# Altium PCB LeVentilateur.PcbDoc (part 1 of 2) (continued)
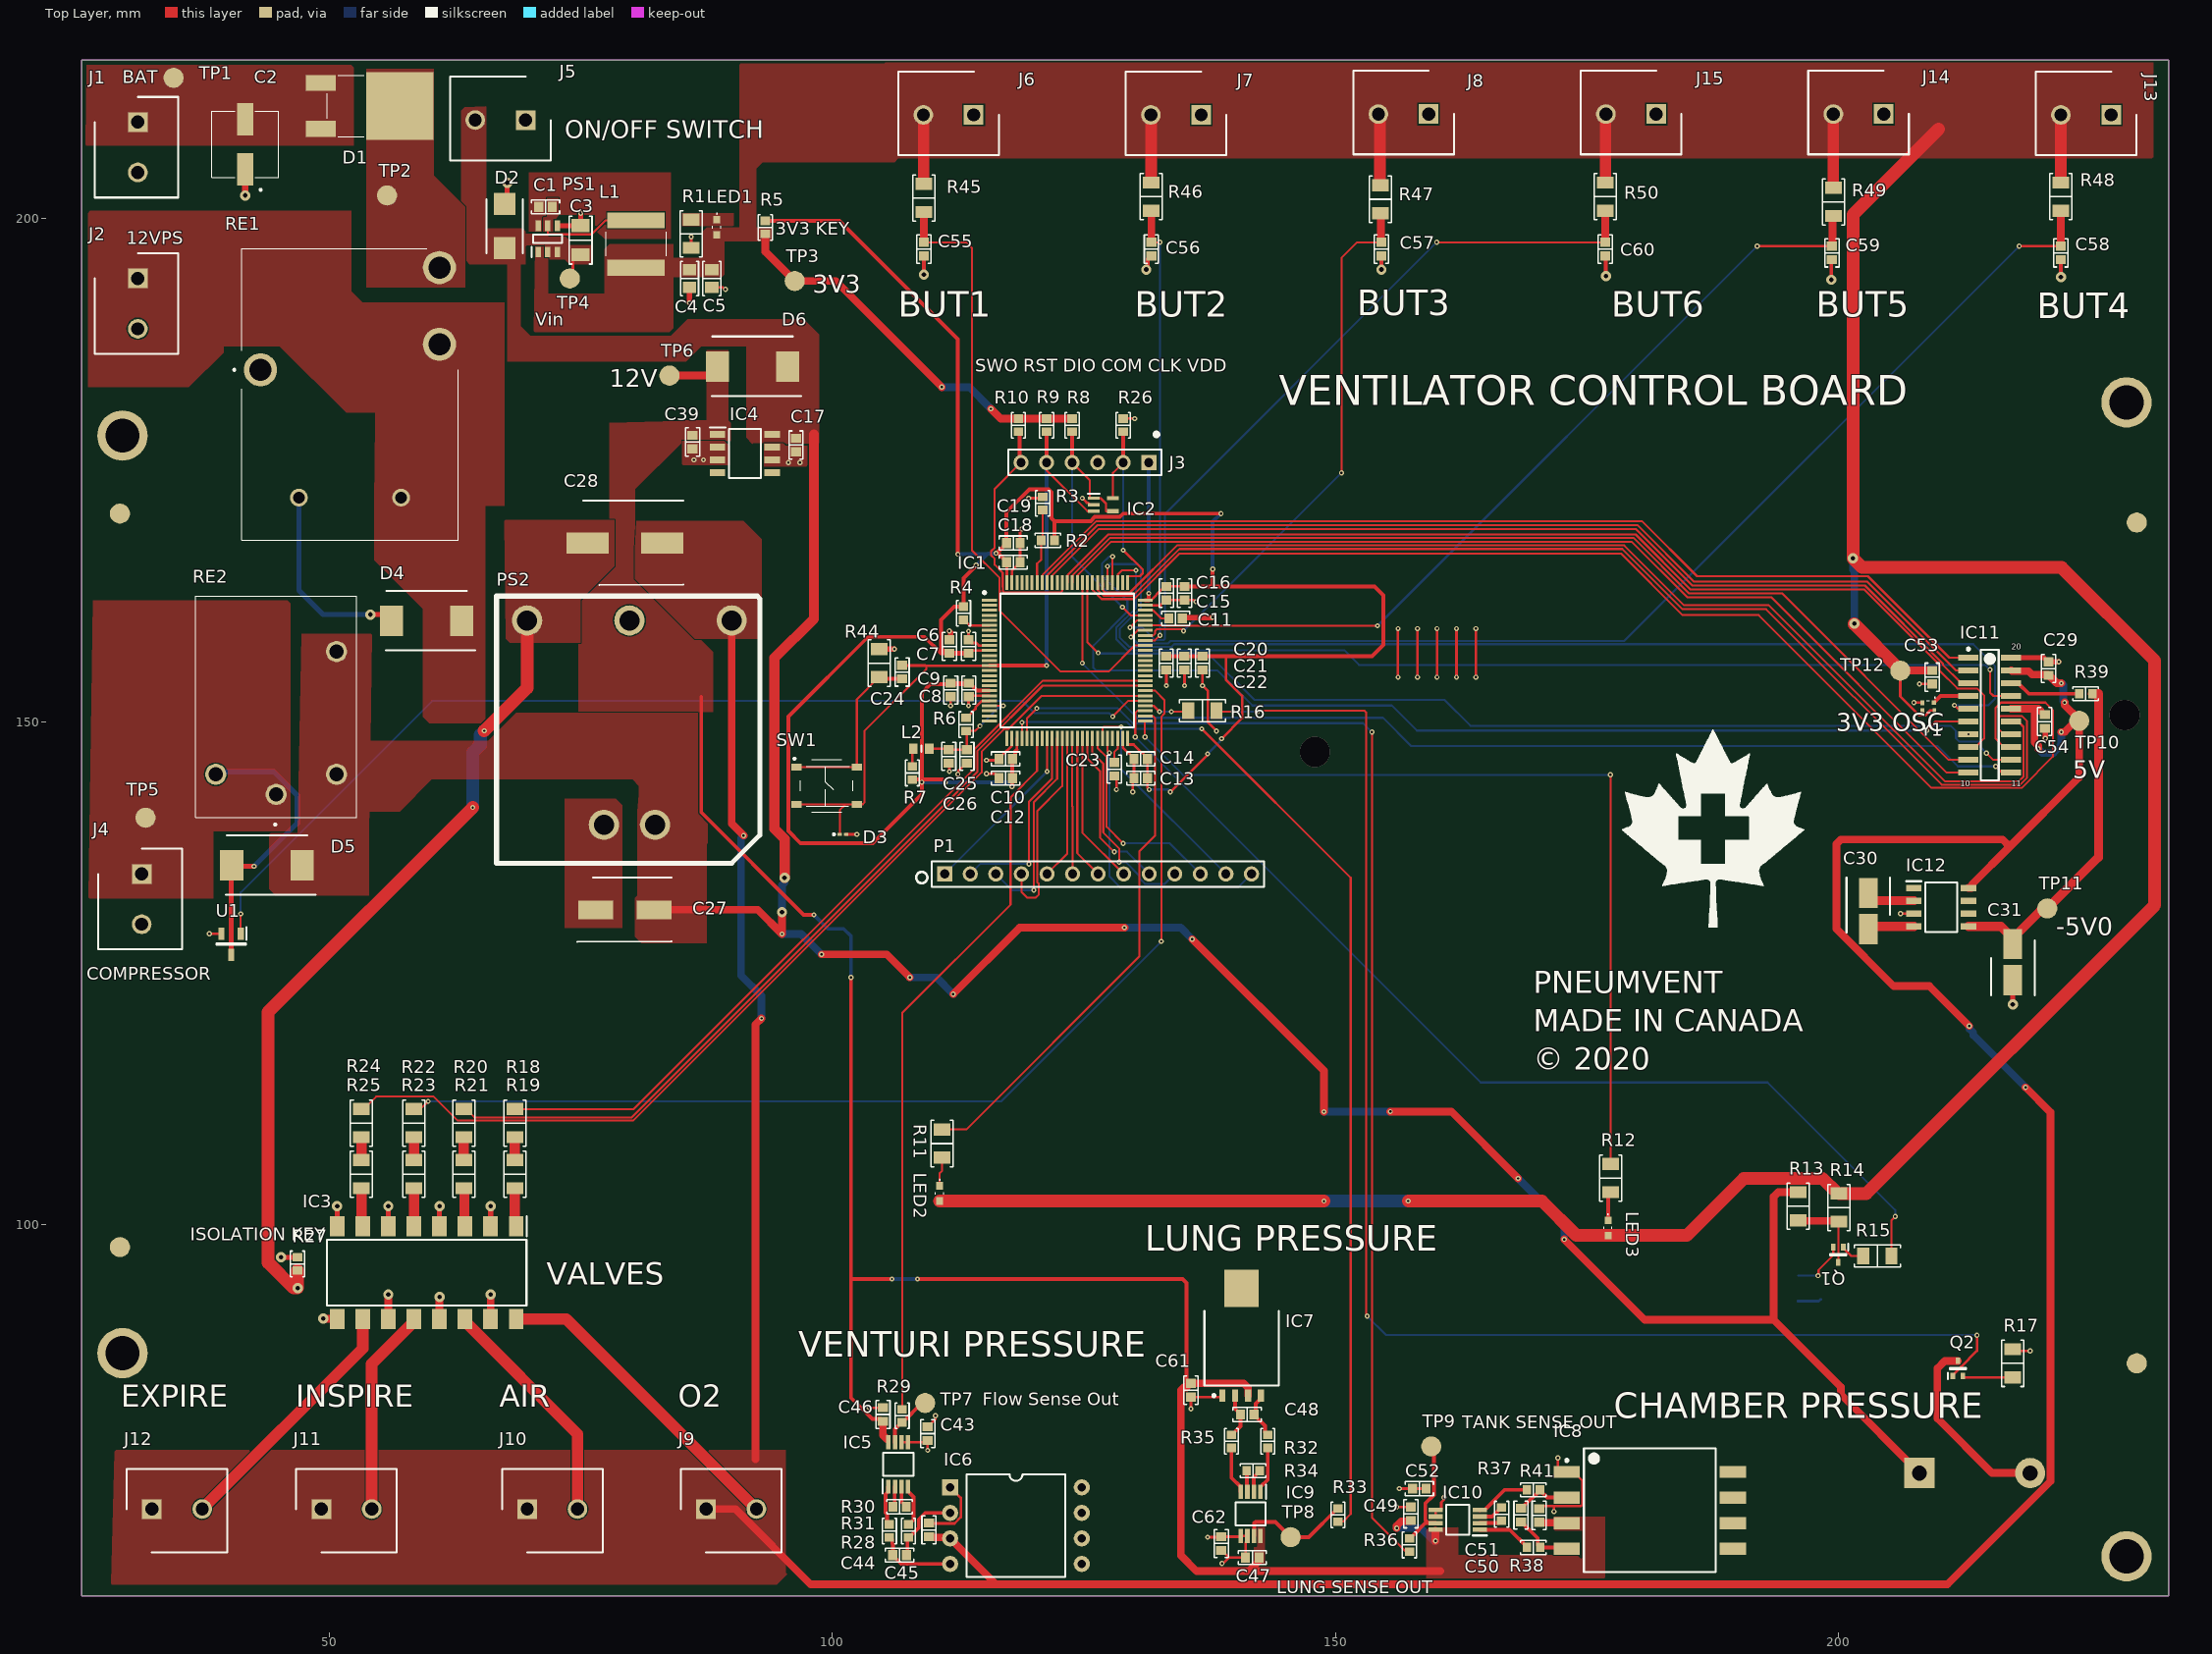
[diagram p0: Top Layer view]
## Components (designator, comment, footprint, x,y, rotation, side; value= is the part's Value field where it differs from the comment) (continued)
TP2 "TP" TP 55.753,202.311 r0 top locked
TP3 "TP" TP 96.266,193.802 r0 top locked
TP4 "TP" TP 73.914,194.056 r0 top locked
TP5 "TP" TP 31.75,140.462 r0 top locked
TP6 "TP" TP 83.82,184.404 r0 top locked
TP7 "TP" TP 109.22,82.296 r0 top locked
TP8 "TP" TP 145.542,68.961 r0 top locked
TP9 "TP" TP 159.512,77.978 r0 top locked
TP10 "TP" TP 223.901,150.088 r90 top locked
TP11 "TP" TP 220.726,131.445 r90 top locked
TP12 "TP" TP 206.121,155.083 r90 top locked
U1 "NUD3124LT1G" SOT96P237X111-3N 40.259,127.889 r270 top locked
Y1 "2KHZ" DSC6083HE1A032K800T 208.915,151.511 r180 top locked

## Footprints (in the part's own frame and the unit in brackets; to place one, negate y for a bottom-side part, rotate by r counter-clockwise, add the part's x,y. Pads: shape width x height; smd on the part's side, far side on the other; paste and mask are expansions set on the pad)
1255AY100MP3 [mm]
  rect 1.6x5.7 smd: 1(-2.35,0) 2(2.35,0)
  silkscreen extent -1.2,-3 1.2,3, body extent -3,-3 3,3, height 4.6
150060GS73220 [mm]
  rect 0.7x0.75 smd: 1(0,-0.75) 2(0,0.75)
  silkscreen extent -0.4,-1.4 0.4,0.1, body extent -0.4,-0.8 0.4,0.8, height 0.4
BEADC1608X95N [mm]
  rect 0.85x1 smd: 1(-0.8,0) 2(0.8,0)
  silkscreen extent 0,-0.3 0,0.3, body extent -0.8,-0.4 0.8,0.4, height 0.95
Buzzer [mm]
  rect 3x3 hole 1.5: 1(0,0)
  round 3 hole 1.5: 2(11,0)
  silkscreen extent -2.75,-8.25 13.75,8.25, body extent -3.04,-7.86 13.46,8.64, height 6.8
"CAP 0603/1608" [mm] "Chip Capacitor, 2-Leads, Body 1.60x0.80mm, IPC Medium Density"
  rect 0.9x1 smd: 1(-0.675,0) 2(0.675,0)
  silkscreen extent -1.4,-0.7 1.4,0.7, body extent -0.8,-0.41 0.8,0.41, height 0.82
"CAP 1206/3216" [mm] "Chip Capacitor, 2-Leads, Body 3.25x1.60mm, IPC Medium Density"
  rect 1.3x1.8 smd: 1(-1.45,0) 2(1.45,0)
  silkscreen extent -2.38,-1.12 2.38,1.13, body extent -1.6,-0.81 1.6,0.81, height 1.62
CAPAE430X580N [mm]
  rect 3x1.85 smd: 1(-1.8,0) 2(1.8,0)
  round 1 on Top Overlay: ""(3.175,2.286)
  silkscreen extent -3.3,-2.17 2.15,2.16, body extent -2.6,-2.25 2.6,2.25, height 5.8
CAPAE630X580N [mm]
  rect 3.45x1.85 smd: 1(-2.9,0) 2(2.9,0)
  round 1 on Top Overlay: ""(4.572,-2.921)
  silkscreen extent -4.62,-3.2 4.7,3.18, body extent -3.9,-3.25 3.9,3.25, height 5.8
CAPAE830X1050N [mm]
  rect 4.2x2.1 smd: 1(-3.7,0) 2(3.7,0)
  round 1 on Top Overlay: ""(5.461,3.937)
  silkscreen extent -5.8,-4.23 4.15,4.19, body extent -5,-4.25 5,4.25, height 10.5
DIOM8060X295N [mm]
  rect 2.3x3.05 smd: 1(-3.5,0) 2(3.5,0)
  silkscreen extent -4.83,-3 4.06,2.92, body extent -4,-3 4,3, height 2.95
DIONM5436X265N [mm]
  rect 2.2x2.15 smd: 1(-2.2,0) 2(2.2,0)
  silkscreen extent -2.67,-1.81 2.68,1.81, body extent -2.68,-1.81 2.68,1.81, height 2.65
DIP8_Pressure_Sense [mm]
  rect 1.6x1.6 hole 0.813: 1(0,0)
  round 1.6 hole 0.813: 2(0,-2.54) 3(0,-5.08) 4(0,-7.62) 5(13.08,-7.62) 6(13.08,-5.08) 7(13.08,-2.54) 8(13.08,0)
  silkscreen extent 1.63,-8.89 11.45,1.27
DPAK127P1219X1008-5N [mm] "TO, 5-Pads, Body 7.84x7.08mm (max), IPC Medium Density"
  rect 1.2x0.6 smd: 1(-5.95,1.905) 2(-5.95,0.635) 3(-5.95,-0.635) 4(-5.95,-1.905)
  rect 3.7x3.4 smd: ""(4.7,0)
  silkscreen extent -6.07,-3.7 2.45,3.7, body extent -6.13,-3.65 5.87,3.65, height 9.65
DSC6083HE1A032K800T [mm]
  rect 0.43x0.432 smd: 1(-0.56,-0.375)
  rect 0.35x0.457 smd: 2(0.6,-0.375) 3(0.6,0.375)
  rect 0.35x0.432 smd: 4(-0.6,0.375)
  silkscreen extent -0.7,-0.95 0.2,0.6, body extent -0.8,-0.6 0.8,0.6, height 0.99
EEE1HA470XP [mm]
  rect 1.6x3.2 smd: 1(0,2.5) 2(0,-2.5)
  silkscreen extent -3.3,-4.62 3.3,3.3, body extent -3.3,-3.94 3.3,3.94, height 8.1
ESDALC6V11U2 [mm]
  rect 0.425x0.3 smd: 1(0.031,0) 2(0.656,0)
  silkscreen extent -0.66,-0.1 -0.46,0.1
FERD20H100SBTR [mm]
  rect 3x1.6 smd: 1(3.925,-2.286) 3(3.925,2.286)
  rect 6.7x6.7 smd: 2(-3.925,0)
  silkscreen extent -0.4,-3.05 3.27,3.05
HDR1X6 [mm] "Connector; Header; 6 Position"
  rect 1.5x1.5 hole 0.9: 1(0,0)
  round 1.5 hole 0.9: 2(2.54,0) 3(5.08,0) 4(7.62,0) 5(10.16,0) 6(12.7,0)
  silkscreen extent -1.27,-1.27 13.97,1.27
HDR1X13 [mm] "Connector; Header; 13 Position"
  rect 1.5x1.5 hole 0.9: 1(0,0)
  round 1.5 hole 0.9: 2(2.54,0) 3(5.08,0) 4(7.62,0) 5(10.16,0) 6(12.7,0) 7(15.24,0) 8(17.78,0) 9(20.32,0) 10(22.86,0) 11(25.4,0) 12(27.94,0) 13(30.48,0)
  silkscreen extent -1.27,-1.27 31.75,1.27
ISO_PS [mm]
  round 3 hole 2: 1(2.54,10.16) 2(-2.54,10.16) 3(-10.16,-10.16) 4(0,-10.16) 5(10.16,-10.16)
  silkscreen extent -12.95,-12.57 13.21,13.97
JSM1A12V4 [mm]
  round 2.1 hole 1.4: 1(0,0) 2(2,-6) 3(14.2,-6) 5(2,6)
  silkscreen extent -3.1,-8 19.7,8, body extent -2.3,-8 19.7,8, height 16.4
LCD_CONN [mm]
  rect 2x0.6 smd: 1(-2.125,5.715) 2(-2.125,4.445) 3(-2.125,3.175) 4(-2.125,1.905) 5(-2.125,0.635) 6(-2.125,-0.635) 7(-2.125,-1.905) 8(-2.125,-3.175) 9(-2.125,-4.445) 10(-2.125,-5.715) 11(2.125,-5.715) 12(2.125,-4.445) 13(2.125,-3.175) 14(2.125,-1.905) 15(2.125,-0.635) 16(2.125,0.635) 17(2.125,1.905) 18(2.125,3.175) 19(2.125,4.445) 20(2.125,5.715)
  silkscreen extent -2.25,-6.5 0.89,6.69, body extent -1.55,-6.5 1.55,6.5, height 4.55
PTS526SM15SMTR2LFS [mm]
  rect 1x0.7 smd: 1(-3,1.85) 2(3,1.85) 3(-3,-1.85) 4(3,-1.85)
  silkscreen extent -3.3,-2.6 2.6,2.8, body extent -3.43,-2.6 3.43,2.6, height 1.6
QBHP686IWKCW [mm]
  rect 1.5x2.1 smd: 1(-1.475,0)
  rect 2.35x2.1 smd: 2(1.05,0)
  silkscreen extent -1.55,-1.4 2.89,1.4, body extent -1.55,-1.4 1.55,1.4, height 1.1
QFP50P1600X1600X160-100N [mm]
  rect 1.475x0.3 smd: 1(-7.738,6) 2(-7.738,5.5) 3(-7.738,5) 4(-7.738,4.5) 5(-7.738,4) 6(-7.738,3.5) 7(-7.738,3) 8(-7.738,2.5) 9(-7.738,2) 10(-7.738,1.5) 11(-7.738,1) 12(-7.738,0.5) 13(-7.738,0) 14(-7.738,-0.5) 15(-7.738,-1) 16(-7.738,-1.5) 17(-7.738,-2) 18(-7.738,-2.5) 19(-7.738,-3) 20(-7.738,-3.5) 21(-7.738,-4) 22(-7.738,-4.5) 23(-7.738,-5) 24(-7.738,-5.5) 25(-7.738,-6) 51(7.738,-6) 52(7.738,-5.5) 53(7.738,-5) 54(7.738,-4.5) 55(7.738,-4) 56(7.738,-3.5) 57(7.738,-3) 58(7.738,-2.5) 59(7.738,-2) 60(7.738,-1.5) 61(7.738,-1) 62(7.738,-0.5) 63(7.738,0) 64(7.738,0.5) 65(7.738,1) 66(7.738,1.5) 67(7.738,2) 68(7.738,2.5) 69(7.738,3) 70(7.738,3.5) 71(7.738,4) 72(7.738,4.5) 73(7.738,5) 74(7.738,5.5) 75(7.738,6)
  rect 0.3x1.475 smd: 26(-6,-7.738) 27(-5.5,-7.738) 28(-5,-7.738) 29(-4.5,-7.738) 30(-4,-7.738) 31(-3.5,-7.738) 32(-3,-7.738) 33(-2.5,-7.738) 34(-2,-7.738) 35(-1.5,-7.738) 36(-1,-7.738) 37(-0.5,-7.738) 38(0,-7.738) 39(0.5,-7.738) 40(1,-7.738) 41(1.5,-7.738) 42(2,-7.738) 43(2.5,-7.738) 44(3,-7.738) 45(3.5,-7.738) 46(4,-7.738) 47(4.5,-7.738) 48(5,-7.738) 49(5.5,-7.738) 50(6,-7.738) 76(6,7.738) 77(5.5,7.738) 78(5,7.738) 79(4.5,7.738) 80(4,7.738) 81(3.5,7.738) 82(3,7.738) 83(2.5,7.738) 84(2,7.738) 85(1.5,7.738) 86(1,7.738) 87(0.5,7.738) 88(0,7.738) 89(-0.5,7.738) 90(-1,7.738) 91(-1.5,7.738) 92(-2,7.738) 93(-2.5,7.738) 94(-3,7.738) 95(-3.5,7.738) 96(-4,7.738) 97(-4.5,7.738) 98(-5,7.738) 99(-5.5,7.738) 100(-6,7.738)
  silkscreen extent -8.35,-6.65 6.65,6.87, body extent -8,-8 8,8, height 1.6
"RES 0603/1608" [mm] "Chip Resistor, 2-Leads, Body 1.60x0.80mm, IPC Medium Density"
  rect 0.85x0.95 smd: 1(-0.65,0) 2(0.65,0)
  silkscreen extent -1.27,-0.7 1.27,0.7, body extent -0.8,-0.4 0.8,0.4, height 0.45
"RES 0805/2012" [mm] "Chip Resistor, 2-Leads, Body 2.00x1.25mm, IPC Medium Density"
  rect 1.15x1.35 smd: 1(-0.875,0) 2(0.875,0)
  silkscreen extent -1.7,-0.9 1.7,0.9, body extent -0.95,-0.62 1.05,0.63, height 0.6
"RES 1206/3216" [mm] "Chip Resistor, 2-Leads, Body 3.13x1.55mm, IPC Medium Density"
  rect 1.2x1.65 smd: 1(-1.4,0) 2(1.4,0)
  silkscreen extent -2.3,-1.1 2.3,1.1, body extent -1.57,-0.8 1.62,0.8, height 0.6
SHDR2W110P0X500_1X2_1000X830X1140P [mm]
  rect 1.95x1.95 hole 1.3: 1(0,0)
  round 1.95 hole 1.3: 2(5,0)
  round 1 on Top Overlay: ""(-2.54,5.08)
  silkscreen extent -2.5,-4.3 7.5,4, body extent -2.67,-5.13 7.9,3.87, height 11.9
SOIC127P600X175-8N [mm]
  rect 1.525x0.65 smd: 1(-2.712,1.905) 2(-2.712,0.635) 3(-2.712,-0.635) 4(-2.712,-1.905) 5(2.712,-1.905) 6(2.712,-0.635) 7(2.712,0.635) 8(2.712,1.905)
  silkscreen extent -3.47,-2.45 1.6,2.58, body extent -3,-2.45 3,2.45, height 1.75
SOP65P490X110-8N [mm]
  rect 1.4x0.45 smd: 1(-2.2,0.975) 2(-2.2,0.325) 3(-2.2,-0.325) 4(-2.2,-0.975) 5(2.2,-0.975) 6(2.2,-0.325) 7(2.2,0.325) 8(2.2,0.975)
  silkscreen extent -2.9,-1.5 1.15,1.55, body extent -2.45,-1.5 2.45,1.5, height 1.1
SOP127P600-8N [mm]
  rect 2.6x1.2 smd: 1(-8.25,3.81) 2(-8.25,1.27) 3(-8.25,-1.27) 4(-8.25,-3.81) 5(8.25,-3.81) 6(8.25,-1.27) 7(8.25,1.27) 8(8.25,3.81)
  silkscreen extent -8.37,-6.15 6.55,6.15, body extent -8.97,-5.46 9.23,5.84, height 13
SOP254P1031X450-16N [mm]
  rect 2x1.45 smd: 1(-4.6,8.89) 2(-4.6,6.35) 3(-4.6,3.81) 4(-4.6,1.27) 5(-4.6,-1.27) 6(-4.6,-3.81) 7(-4.6,-6.35) 8(-4.6,-8.89) 9(4.6,-8.89) 10(4.6,-6.35) 11(4.6,-3.81) 12(4.6,-1.27) 13(4.6,1.27) 14(4.6,3.81) 15(4.6,6.35) 16(4.6,8.89)
  silkscreen extent -5.6,-9.92 3.25,9.96, body extent -5.16,-9.92 5.16,9.92, height 4.5
SOT65P210X110-5N [mm]
  rect 1.2x0.33 smd: 1(-0.95,0.65) 2(-0.95,0) 3(-0.95,-0.65)
  rect 1.2x0.4 smd: 4(0.95,-0.65) 5(0.95,0.65)
  silkscreen extent -1.55,1.1 -0.35,1.1, body extent -1.05,-1 1.05,1, height 1.1
SOT95P280X100-6N [mm]
  rect 1.05x0.55 smd: 1(-1.3,0.95) 2(-1.3,0) 3(-1.3,-0.95) 4(1.3,-0.95) 5(1.3,0) 6(1.3,0.95)
  silkscreen extent -1.82,-1.45 0.42,1.58, body extent -1.4,-1.45 1.4,1.45, height 1
SOT96P237X111-3N [mm]
  rect 1.25x0.6 smd: 1(-1.05,0.955) 2(-1.05,-0.955) 3(1.05,0)
  silkscreen extent -1.67,-1.46 0.07,1.51, body extent -1.18,-1.46 1.18,1.46, height 1.11
SOTFL50P160X70-3N [mm]
  rect 0.46x0.645 smd: 1(0.5,-0.498) 2(-0.5,-0.498) 3(0,1.006)
  silkscreen extent -0.98,-0.82 0.8,0.33, body extent -0.8,-0.55 0.8,1.05, height 0.7
T9GV5L145 [mm]
  round 3.29 hole 2.19: 1(0,-0.06) 4(17.78,2.48) 5(17.78,10.1)
  round 1.77 hole 1.17: 2(3.81,-12.76) 3(13.97,-12.76)
  silkscreen extent -2.7,-17 19.64,12, body extent -1.81,-17.14 19.59,11.75, height 15
TP [mm]
  round 2 smd paste-1.016: 1(0,0)

## Part data
B1: "BUZZER, 16.5 MM, 6.7 MM DEEP, P,", Manufacturer 1=CUI, Manufacturer Part Number 1=CPT-1667-85T, Supplier Part Number 1=102-CPT-1667-85T-ND, Pricing 1="1 = 0.82000, 10 = 0.68400, 25 = 0.63360, 50 = 0.59680, 100 = 0.56130, 500 = 0.48384, 1000 = 0.45266, 5000 = 0.42900 (USD)", RoHS 1=No, Stock 1=494, Supplier 1=Digi-Key
C1 C6 C7 C8 C9 C10 C12 C13 C14 C15 C16 C18 C19 C20 C21 C24 C25 C29 C39 C43 C44 C45 C46 C47 C48 C49 C50 C51 C52 C53 C54 C55 C56 C57 C58 C59 C60 C61 C62: library part C1608X7R1E104K080AA, "CAP CER 0.1UF 50V X7R 0603", Capacitance=100nF, Case/Package=0603, Case Code (Metric)=1608, Dielectric=X7R, Dielectric Material=Ceramic, Manufacturer 1=KEMET, Manufacturer Part Number 1=C0603C104M5RACTU, Max Operating Temperature=125°C, Min Operating Temperature=-55°C, Package Quantity=1, Supplier Part Number 1=399-7845-1-ND, Tolerance=20%, Voltage Rating=50V, Case Code (Imperial)=0603, ComponentLink1Description=Datasheet, ComponentLink1URL=https://product.tdk.com/info/en/catalog/datasheets/mlcc_commercial_general_en.pdf, ComponentLink2Description="Digi-Key listing", ComponentLink2URL=http://digikey.com/product-detail/en/C1608X7R1E104K080AA/445-1316-1-ND/567697, ComponentLink3Description=https://www.verical.com/server-webapp/html/getDatasheet?partID=626892&src-supplier=Verical, ComponentLink3URL=https://www.verical.com/server-webapp/html/getDatasheet?partID=626892&src-supplier=Verical, ComponentLink4Description=http://www.farnell.com/datasheets/2746056.pdf?src-supplier=Farnell, ComponentLink4URL=http://www.farnell.com/datasheets/2746056.pdf?src-supplier=Farnell, ComponentLink5Description=http://components.arrow.com/part/dataview/0323_00313986?src-supplier=Arrow+Europe, ComponentLink5URL=http://components.arrow.com/part/dataview/0323_00313986?src-supplier=Arrow+Europe, ComponentLink6Description=http://www.mouser.com/ds/2/212/KEM_C1002_X7R_SMD-1102033.pdf?src-supplier=Mouser, ComponentLink6URL=http://www.mouser.com/ds/2/212/KEM_C1002_X7R_SMD-1102033.pdf?src-supplier=Mouser, ComponentLink7Description=http://www.alliedelec.com/m/d/6f3b5eb83d09db50ed28bdc730567b33.pdf?src-supplier=Allied+Electronics, ComponentLink7URL=http://www.alliedelec.com/m/d/6f3b5eb83d09db50ed28bdc730567b33.pdf?src-supplier=Allied+Electronics, ComponentLink8Description=http://components.arrow.com/part/dataview/40911037S8853915N7429?src-supplier=Arrow, ComponentLink8URL=http://components.arrow.com/part/dataview/40911037S8853915N7429?src-supplier=Arrow, ComponentLink9Description=http://www.farnell.com/datasheets/2746056.pdf?src-supplier=Newark, ComponentLink9URL=http://www.farnell.com/datasheets/2746056.pdf?src-supplier=Newark, ComponentLink10Description=http://www.farnell.com/datasheets/1828800.pdf?src-supplier=Newark, ComponentLink10URL=http://www.farnell.com/datasheets/1828800.pdf?src-supplier=Newark, ComponentLink11Description=http://capacitoredge.kemet.com/capedge2/DataSheet?pn=C0603C104M5RAC7867&src-supplier=Avnet+Asia, ComponentLink11URL=http://capacitoredge.kemet.com/capedge2/DataSheet?pn=C0603C104M5RAC7867&src-supplier=Avnet+Asia, ComponentLink12Description=https://api.kemet.com/component-edge/download/datasheet/C0603C104M5RACTU.pdf?src-supplier=Digi-Key, ComponentLink12URL=https://api.kemet.com/component-edge/download/datasheet/C0603C104M5RACTU.pdf?src-supplier=Digi-Key, ComponentLink13Description=https://www.verical.com/server-webapp/html/getDatasheet?partID=110138&src-supplier=Verical, ComponentLink13URL=https://www.verical.com/server-webapp/html/getDatasheet?partID=110138&src-supplier=Verical, ComponentLink14Description=http://capacitoredge.kemet.com/capedge2/DataSheet?pn=C0603C104M5RAC7867&src-supplier=Avnet, ComponentLink14URL=http://capacitoredge.kemet.com/capedge2/DataSheet?pn=C0603C104M5RAC7867&src-supplier=Avnet, ComponentLink15Description=http://www.farnell.com/datasheets/2315113.pdf?src-supplier=Newark, ComponentLink15URL=http://www.farnell.com/datasheets/2315113.pdf?src-supplier=Newark, ComponentLink16Description=http://www.farnell.com/datasheets/2746056.pdf?src-supplier=Element14, ComponentLink16URL=http://www.farnell.com/datasheets/2746056.pdf?src-supplier=Element14, Contact Plating=Tin,Matte, Depth=0.8mm, Description 1="Cap Ceramic 0.1uF 50V X7R 20% SMD 0603 125C T/R", Dissipation Factor=2.5%, Height=0.8mm, Lead Pitch=0.7mm, Length=1.6mm, Mount="Surface Mount,PCB", Packaging="Tape and Reel", Pricing 1="1 = 0.10000, 10 = 0.03900, 100 = 0.01740, 500 = 0.01240, 1000 = 0.00974 (USD)", Radiation Hardening=No, REACH SVHC="No SVHC", RoHS 1=Yes, Stock 1=3475152, Supplier 1=Digi-Key, Termination=SMD/SMT, Thickness=0.034inch, Voltage Rating (DC)=50V, Width=0.031inch
C2: library part EEE-1HA470XP, "CAP ALUM 47UF 20% 50V SMD", Case/Package=Radial, Leakage Current=3uA, Manufacturer 1=Panasonic, Manufacturer Part Number 1=EEE-1HA470XAP, Max Operating Temperature=85°C, Min Operating Temperature=-40°C, Package Quantity=1, Ripple Current=105mA, Supplier Part Number 1=PCE4622CT-ND, Tolerance=20%, Voltage=50V, Capacitance=47uF, ComponentLink1Description=https://datasheet.ciiva.com/2985/aba0000ce115-2985177.pdf?src-supplier=Avnet, ComponentLink1URL=https://datasheet.ciiva.com/2985/aba0000ce115-2985177.pdf?src-supplier=Avnet, ComponentLink2Description=https://datasheet.ciiva.com/17535/aba0000ce115-17535690.pdf?src-supplier=Avnet+Europe, ComponentLink2URL=https://datasheet.ciiva.com/17535/aba0000ce115-17535690.pdf?src-supplier=Avnet+Europe, ComponentLink3Description=https://datasheet.ciiva.com/14605/70255709-14605342.pdf?src-supplier=Allied+Electronics, ComponentLink3URL=https://datasheet.ciiva.com/14605/70255709-14605342.pdf?src-supplier=Allied+Electronics, ComponentLink4Description=https://datasheet.ciiva.com/30171/aba0000ce115-30171439.pdf?src-supplier=Onlinecomponents.com, ComponentLink4URL=https://datasheet.ciiva.com/30171/aba0000ce115-30171439.pdf?src-supplier=Onlinecomponents.com, ComponentLink5Description=https://datasheet.ciiva.com/2985/aba0000ce115-2985176.pdf?src-supplier=Avnet, ComponentLink5URL=https://datasheet.ciiva.com/2985/aba0000ce115-2985176.pdf?src-supplier=Avnet, Description 1="CAP ALUM 47UF 20% 50V SMD", Diameter=6.3mm, Dissipation Factor=0.14%, Height=7.8mm, Height - Seated (Max)=0.303inch, Lead Diameter=0.65mm, Lead Free="Lead Free", Lead Pitch=1.8mm, Length=8mm, Life (Hours)=2000Hour, Mount="Surface Mount,PCB", Number of Pins=8, Packaging="Tape and Reel", Pricing 1="1 = 0.43000, 10 = 0.30600, 100 = 0.20180 (USD)", Radiation Hardening=No, RoHS 1=Yes, Stock 1=1561, Supplier 1=Digi-Key, Termination=SMD/SMT, Voltage Rating=50V, Voltage Rating (DC)=50V
C3: library part C1206C105M3RACTU, "CAP CER 10UF 25V X7R 1206", Case/Package=1206, Case Code (Metric)=3216, Dielectric=X5R, Manufacturer 1=Samsung, Manufacturer Part Number 1=CL31A106MBHNNNE, Max Operating Temperature=85°C, Min Operating Temperature=-55°C, Supplier Part Number 1=1276-6736-1-ND, Tolerance=20%, Voltage Rating=50V, Capacitance=10uF, Case Code (Imperial)=1206, ComponentLink1Description=Datasheet, ComponentLink1URL=http://www.kemet.com/docfinder?Partnumber=C1206C105M3RACTU, ComponentLink2Description="Digi-Key listing", ComponentLink2URL=http://digikey.com/product-detail/en/C1206C105M3RACTU/399-8148-2-ND/2215101, ComponentLink3Description=http://www.samsungsem.com/kr/support/product-search/mlcc/CL31A106MBHNNNE.jsp?src-supplier=Digi-Key, ComponentLink3URL=http://www.samsungsem.com/kr/support/product-search/mlcc/CL31A106MBHNNNE.jsp?src-supplier=Digi-Key, Description 1="CAP CER 10UF 50V X5R 1206", Length=0.126inch, Mount="Surface Mount", Packaging="Tape and Reel", Pricing 1="1 = 0.34000, 10 = 0.23000, 100 = 0.13040, 500 = 0.09206, 1000 = 0.08055 (USD)", RoHS 1=Yes, Stock 1=854671, Supplier 1=Digi-Key, Thickness=0.071inch, Voltage Rating (DC)=50V, Width=0.063inch
C4 C5: library part C2012X7R1H104K085AA, "CAP CER 22UF 10V X5R 0805", Case/Package=0805, Dielectric=X5R, Manufacturer 1="Taiyo Yuden", Manufacturer Part Number 1=LMK212BBJ226MG-T, Max Operating Temperature=85°C, Min Operating Temperature=-55°C, Supplier Part Number 1=587-5464-1-ND, Tolerance=20%, Voltage=10V, Capacitance=22uF, ComponentLink1Description=Datasheet, ComponentLink1URL=https://product.tdk.com/info/en/catalog/datasheets/mlcc_commercial_general_en.pdf, ComponentLink2Description="Digi-Key listing", ComponentLink2URL=http://digikey.com/product-detail/en/C2012X7R1H104K085AA/445-7534-2-ND/2732969, ComponentLink3Description=https://datasheet.ciiva.com/25796/cl21a226mqqnnne-25796195.pdf?src-supplier=Digi-Key, ComponentLink3URL=https://datasheet.ciiva.com/25796/cl21a226mqqnnne-25796195.pdf?src-supplier=Digi-Key, ComponentLink4Description=https://datasheet.ciiva.com/26838/getdatasheetpartid-357607-26838611.pdf?src-supplier=Verical, ComponentLink4URL=https://datasheet.ciiva.com/26838/getdatasheetpartid-357607-26838611.pdf?src-supplier=Verical, ComponentLink5Description=https://datasheet.ciiva.com/16361/cl21a226mqqnnne-16361189.pdf?src-supplier=Future+Electronics, ComponentLink5URL=https://datasheet.ciiva.com/16361/cl21a226mqqnnne-16361189.pdf?src-supplier=Future+Electronics, ComponentLink6Description=https://datasheet.ciiva.com/26787/cl21a226mqqnnne-26787006.pdf?src-supplier=IIIC, ComponentLink6URL=https://datasheet.ciiva.com/26787/cl21a226mqqnnne-26787006.pdf?src-supplier=IIIC, ComponentLink7Description=http://ds.yuden.co.jp/TYCOMPAS/ut/detail.do?productNo=LMK212BBJ226MG-T&fileName=LMK212BBJ226MG-T_SS&mode=specSheetDownload&src-supplier=Digi-Key, ComponentLink7URL=http://ds.yuden.co.jp/TYCOMPAS/ut/detail.do?productNo=LMK212BBJ226MG-T&fileName=LMK212BBJ226MG-T_SS&mode=specSheetDownload&src-supplier=Digi-Key, ComponentLink8Description="https://ds.yuden.co.jp/TYCOMPAS/ut/detail?pn=LMK212BBJ226MG-T &amp;u=M&src-supplier=Digi-Key", ComponentLink8URL="https://ds.yuden.co.jp/TYCOMPAS/ut/detail?pn=LMK212BBJ226MG-T &amp;u=M&src-supplier=Digi-Key", Depth=1.25mm, Description 1="CAP ,MLCC ,0805,10V,X5R,22 F 20% ,T&R", Height=1.25mm, Length=2mm, Mount="Surface Mount", Pricing 1="1 = 0.30000, 10 = 0.20600, 100 = 0.11660, 500 = 0.08228, 1000 = 0.07200 (USD)", RoHS 1=Yes, Stock 1=35, Supplier 1=Digi-Key
C11 C23: library part C1608X7R1E104K080AA, "CAP CER 2.2UF 16V X5R 0603", Case/Package=0603, Case Code (Metric)=1608, Dielectric=X5R, Dielectric Material=Ceramic, Manufacturer 1=KEMET, Manufacturer Part Number 1=C0603C225K4PACTU, Max Operating Temperature=85°C, Min Operating Temperature=-55°C, Package Quantity=1, Supplier Part Number 1=399-7886-1-ND, Tolerance=10%, Voltage=16V, Capacitance=2.2uF, Case Code (Imperial)=0603, ComponentLink1Description=Datasheet, ComponentLink1URL=https://product.tdk.com/info/en/catalog/datasheets/mlcc_commercial_general_en.pdf, ComponentLink2Description="Digi-Key listing", ComponentLink2URL=http://digikey.com/product-detail/en/C1608X7R1E104K080AA/445-1316-1-ND/567697, ComponentLink3Description=https://www.verical.com/server-webapp/html/getDatasheet?partID=626892&src-supplier=Verical, ComponentLink3URL=https://www.verical.com/server-webapp/html/getDatasheet?partID=626892&src-supplier=Verical, ComponentLink4Description=http://www.farnell.com/datasheets/2746056.pdf?src-supplier=Farnell, ComponentLink4URL=http://www.farnell.com/datasheets/2746056.pdf?src-supplier=Farnell, ComponentLink5Description=http://components.arrow.com/part/dataview/0323_00313986?src-supplier=Arrow+Europe, ComponentLink5URL=http://components.arrow.com/part/dataview/0323_00313986?src-supplier=Arrow+Europe, ComponentLink6Description=http://www.mouser.com/ds/2/212/KEM_C1002_X7R_SMD-1102033.pdf?src-supplier=Mouser, ComponentLink6URL=http://www.mouser.com/ds/2/212/KEM_C1002_X7R_SMD-1102033.pdf?src-supplier=Mouser, ComponentLink7Description=http://www.alliedelec.com/m/d/6f3b5eb83d09db50ed28bdc730567b33.pdf?src-supplier=Allied+Electronics, ComponentLink7URL=http://www.alliedelec.com/m/d/6f3b5eb83d09db50ed28bdc730567b33.pdf?src-supplier=Allied+Electronics, ComponentLink8Description=http://components.arrow.com/part/dataview/40911037S8853915N7429?src-supplier=Arrow, ComponentLink8URL=http://components.arrow.com/part/dataview/40911037S8853915N7429?src-supplier=Arrow, ComponentLink9Description=http://www.farnell.com/datasheets/2746056.pdf?src-supplier=Newark, ComponentLink9URL=http://www.farnell.com/datasheets/2746056.pdf?src-supplier=Newark, ComponentLink10Description=http://www.farnell.com/datasheets/1828800.pdf?src-supplier=Newark, ComponentLink10URL=http://www.farnell.com/datasheets/1828800.pdf?src-supplier=Newark, ComponentLink11Description=http://capacitoredge.kemet.com/capedge2/DataSheet?pn=C0603C104M5RAC7867&src-supplier=Avnet+Asia, ComponentLink11URL=http://capacitoredge.kemet.com/capedge2/DataSheet?pn=C0603C104M5RAC7867&src-supplier=Avnet+Asia, ComponentLink12Description=https://api.kemet.com/component-edge/download/datasheet/C0603C104M5RACTU.pdf?src-supplier=Digi-Key, ComponentLink12URL=https://api.kemet.com/component-edge/download/datasheet/C0603C104M5RACTU.pdf?src-supplier=Digi-Key, ComponentLink13Description=https://www.verical.com/server-webapp/html/getDatasheet?partID=110138&src-supplier=Verical, ComponentLink13URL=https://www.verical.com/server-webapp/html/getDatasheet?partID=110138&src-supplier=Verical, ComponentLink14Description=http://capacitoredge.kemet.com/capedge2/DataSheet?pn=C0603C104M5RAC7867&src-supplier=Avnet, ComponentLink14URL=http://capacitoredge.kemet.com/capedge2/DataSheet?pn=C0603C104M5RAC7867&src-supplier=Avnet, ComponentLink15Description=http://www.farnell.com/datasheets/2315113.pdf?src-supplier=Newark, ComponentLink15URL=http://www.farnell.com/datasheets/2315113.pdf?src-supplier=Newark, ComponentLink16Description=http://www.farnell.com/datasheets/2746056.pdf?src-supplier=Element14, ComponentLink16URL=http://www.farnell.com/datasheets/2746056.pdf?src-supplier=Element14, ComponentLink17Description=https://datasheet.ciiva.com/30054/131lmk107bj475ka-t-30054339.pdf?src-supplier=Onlinecomponents.com, ComponentLink17URL=https://datasheet.ciiva.com/30054/131lmk107bj475ka-t-30054339.pdf?src-supplier=Onlinecomponents.com, ComponentLink18Description=https://datasheet.ciiva.com/11463/lmk107bj475ka-t-ss-11463768.pdf?src-supplier=Avnet, ComponentLink18URL=https://datasheet.ciiva.com/11463/lmk107bj475ka-t-ss-11463768.pdf?src-supplier=Avnet, ComponentLink19Description=https://datasheet.ciiva.com/135/lmk107bj475ka-t-ss-135643.pdf?src-supplier=Digi-Key, ComponentLink19URL=https://datasheet.ciiva.com/135/lmk107bj475ka-t-ss-135643.pdf?src-supplier=Digi-Key, ComponentLink20Description=https://datasheet.ciiva.com/26872/getdatasheetpartid-638615-26872655.pdf?src-supplier=Verical, ComponentLink20URL=https://datasheet.ciiva.com/26872/getdatasheetpartid-638615-26872655.pdf?src-supplier=Verical, ComponentLink21Description=https://datasheet.ciiva.com/15921/344lmk107bj475ka-t-15921264.pdf?src-supplier=Onlinecomponents.com, ComponentLink21URL=https://datasheet.ciiva.com/15921/344lmk107bj475ka-t-15921264.pdf?src-supplier=Onlinecomponents.com, ComponentLink22Description=https://datasheet.ciiva.com/5424/mlcc01-e-5424565.pdf?src-supplier=Mouser, ComponentLink22URL=https://datasheet.ciiva.com/5424/mlcc01-e-5424565.pdf?src-supplier=Mouser, ComponentLink23Description=https://datasheet.ciiva.com/7975/746258-7975564.pdf?src-supplier=Element14, ComponentLink23URL=https://datasheet.ciiva.com/7975/746258-7975564.pdf?src-supplier=Element14, ComponentLink24Description=https://datasheet.ciiva.com/5969/1776083-5969304.pdf?src-supplier=Farnell, ComponentLink24URL=https://datasheet.ciiva.com/5969/1776083-5969304.pdf?src-supplier=Farnell, ComponentLink25Description=https://datasheet.ciiva.com/7823/1776083-7823706.pdf?src-supplier=Element14, ComponentLink25URL=https://datasheet.ciiva.com/7823/1776083-7823706.pdf?src-supplier=Element14, Contact Plating=Tin,Matte, Depth=0.8mm, Description 1="KEMET - C0603C225K4PACTU - CAP, MLCC, X5R, 2.2UF, 16V, 0603", Dissipation Factor=5%, Height=0.8mm, Lead Free="Lead Free", Length=1.6mm, Mount="Surface Mount", Number of Pins=2, Packaging="Tape and Reel", Pricing 1="1 = 0.14000, 10 = 0.10300, 100 = 0.04840, 500 = 0.03396, 1000 = 0.02811 (USD)", Radiation Hardening=No, REACH SVHC="No SVHC", RoHS 1=Yes, Stock 1=77145, Supplier 1=Digi-Key, Termination=SMD/SMT, Thickness=0.034inch, Voltage Rating=16V, Voltage Rating (DC)=16V, Width=0.8mm
C17: library part C1608X7R1E104K080AA, "CAP CER 0.33UF 50V X5R 0603", Capacitance=330nF, Case/Package=0603, Case Code (Metric)=1608, Dielectric=X5R, Dielectric Material=Ceramic, Manufacturer 1=TDK, Manufacturer Part Number 1=C1608X5R1H334K080AB, Max Operating Temperature=85°C, Min Operating Temperature=-55°C, Package Quantity=1, Supplier Part Number 1=445-7462-1-ND, Tolerance=10%, Voltage Rating=50V, Case Code (Imperial)=0603, ComponentLink1Description=Datasheet, ComponentLink1URL=https://product.tdk.com/info/en/catalog/datasheets/mlcc_commercial_general_en.pdf, ComponentLink2Description="Digi-Key listing", ComponentLink2URL=http://digikey.com/product-detail/en/C1608X7R1E104K080AA/445-1316-1-ND/567697, ComponentLink3Description=https://www.verical.com/server-webapp/html/getDatasheet?partID=626892&src-supplier=Verical, ComponentLink3URL=https://www.verical.com/server-webapp/html/getDatasheet?partID=626892&src-supplier=Verical, ComponentLink4Description=http://www.farnell.com/datasheets/2746056.pdf?src-supplier=Farnell, ComponentLink4URL=http://www.farnell.com/datasheets/2746056.pdf?src-supplier=Farnell, ComponentLink5Description=http://components.arrow.com/part/dataview/0323_00313986?src-supplier=Arrow+Europe, ComponentLink5URL=http://components.arrow.com/part/dataview/0323_00313986?src-supplier=Arrow+Europe, ComponentLink6Description=http://www.mouser.com/ds/2/212/KEM_C1002_X7R_SMD-1102033.pdf?src-supplier=Mouser, ComponentLink6URL=http://www.mouser.com/ds/2/212/KEM_C1002_X7R_SMD-1102033.pdf?src-supplier=Mouser, ComponentLink7Description=http://www.alliedelec.com/m/d/6f3b5eb83d09db50ed28bdc730567b33.pdf?src-supplier=Allied+Electronics, ComponentLink7URL=http://www.alliedelec.com/m/d/6f3b5eb83d09db50ed28bdc730567b33.pdf?src-supplier=Allied+Electronics, ComponentLink8Description=http://components.arrow.com/part/dataview/40911037S8853915N7429?src-supplier=Arrow, ComponentLink8URL=http://components.arrow.com/part/dataview/40911037S8853915N7429?src-supplier=Arrow, ComponentLink9Description=http://www.farnell.com/datasheets/2746056.pdf?src-supplier=Newark, ComponentLink9URL=http://www.farnell.com/datasheets/2746056.pdf?src-supplier=Newark, ComponentLink10Description=http://www.farnell.com/datasheets/1828800.pdf?src-supplier=Newark, ComponentLink10URL=http://www.farnell.com/datasheets/1828800.pdf?src-supplier=Newark, ComponentLink11Description=http://capacitoredge.kemet.com/capedge2/DataSheet?pn=C0603C104M5RAC7867&src-supplier=Avnet+Asia, ComponentLink11URL=http://capacitoredge.kemet.com/capedge2/DataSheet?pn=C0603C104M5RAC7867&src-supplier=Avnet+Asia, ComponentLink12Description=https://api.kemet.com/component-edge/download/datasheet/C0603C104M5RACTU.pdf?src-supplier=Digi-Key, ComponentLink12URL=https://api.kemet.com/component-edge/download/datasheet/C0603C104M5RACTU.pdf?src-supplier=Digi-Key, ComponentLink13Description=https://www.verical.com/server-webapp/html/getDatasheet?partID=110138&src-supplier=Verical, ComponentLink13URL=https://www.verical.com/server-webapp/html/getDatasheet?partID=110138&src-supplier=Verical, ComponentLink14Description=http://capacitoredge.kemet.com/capedge2/DataSheet?pn=C0603C104M5RAC7867&src-supplier=Avnet, ComponentLink14URL=http://capacitoredge.kemet.com/capedge2/DataSheet?pn=C0603C104M5RAC7867&src-supplier=Avnet, ComponentLink15Description=http://www.farnell.com/datasheets/2315113.pdf?src-supplier=Newark, ComponentLink15URL=http://www.farnell.com/datasheets/2315113.pdf?src-supplier=Newark, ComponentLink16Description=http://www.farnell.com/datasheets/2746056.pdf?src-supplier=Element14, ComponentLink16URL=http://www.farnell.com/datasheets/2746056.pdf?src-supplier=Element14, ComponentLink17Description=https://datasheet.ciiva.com/26919/getdatasheetpartid-755505-26919191.pdf?src-supplier=Verical, ComponentLink17URL=https://datasheet.ciiva.com/26919/getdatasheetpartid-755505-26919191.pdf?src-supplier=Verical, ComponentLink18Description=https://datasheet.ciiva.com/6251/tdkmlcccaprange-6251126.pdf?src-supplier=Digi-Key, ComponentLink18URL=https://datasheet.ciiva.com/6251/tdkmlcccaprange-6251126.pdf?src-supplier=Digi-Key, ComponentLink19Description=https://datasheet.ciiva.com/22694/1796654-22694123.pdf?src-supplier=Element14, ComponentLink19URL=https://datasheet.ciiva.com/22694/1796654-22694123.pdf?src-supplier=Element14, ComponentLink20Description=https://datasheet.ciiva.com/7975/1796654-7975053.pdf?src-supplier=Element14, ComponentLink20URL=https://datasheet.ciiva.com/7975/1796654-7975053.pdf?src-supplier=Element14, Composition=Ceramic, Depth=0.8mm, Description 1="TDK         C1608X5R1H334K080AB            SMD Multilayer Ceramic Capacitor, C Series, 0.33 F,  10%, X5R, 50 V, 0603 [1608 Metric]", Height=0.8mm, Lead Free="Lead Free", Length=1.6mm, Mount="Surface Mount", Number of Pins=2, Packaging="Tape and Reel", Pricing 1="1 = 0.23000, 10 = 0.15700, 100 = 0.07930, 500 = 0.05428, 1000 = 0.04802 (USD)", Radiation Hardening=No, REACH SVHC="No SVHC", RoHS 1=Yes, Stock 1=12717, Supplier 1=Digi-Key, Termination=SMD/SMT, Thickness=0.035inch, Voltage Rating (DC)=50V, Weight=7.1E-05oz, Width=0.031inch